# KiCad board 100p-keebored.kicad_pcb (continued)
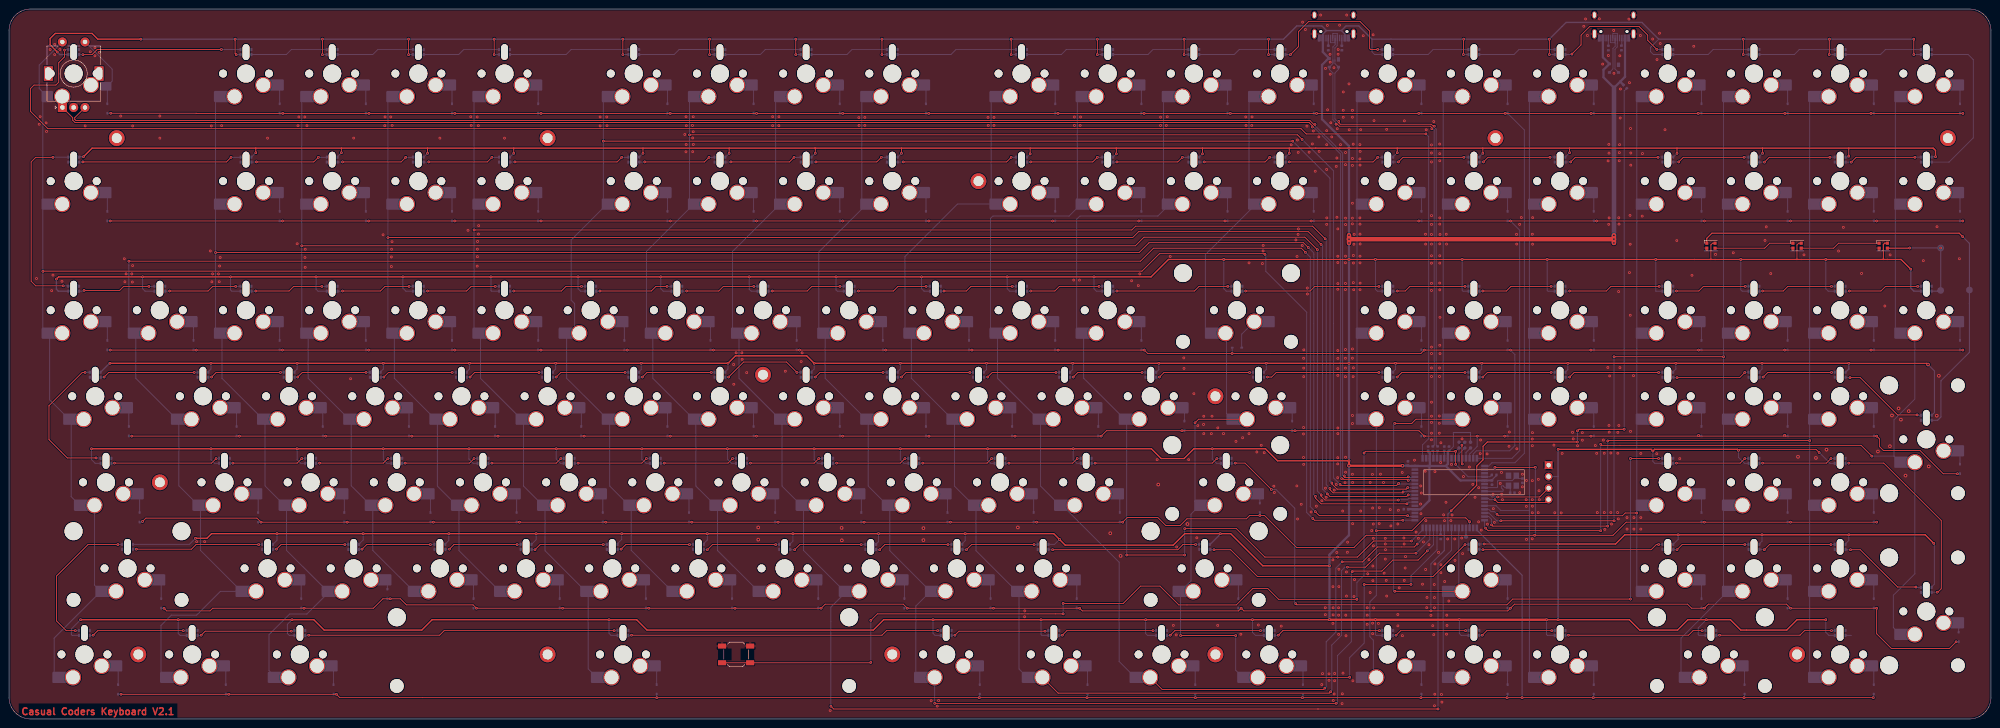
[diagram p0: board, top side]
## Routing (per net, layer and track width the routed paths; a pad name or vN(x,y) marks a point on that pad's centre or on a via; arc(x,y) is an arc through that point) (continued)
Net-(D234-DOUT): length 17.3
  Top w0.2: v1(173.55,124.33) 172.53,123.32 v1(159.58,123.32)
  Bottom w0.2: 175.1,124.38 175.06,124.33 v1(173.55,124.33) ; v1(159.58,123.32) 159.53,123.28 158.27,123.28
Net-(D235-DOUT): length 17.3
  Top w0.2: v1(140.53,123.32) 153.73,123.32 v1(154.75,124.33)
  Bottom w0.2: v1(154.75,124.33) 156.01,124.33 156.05,124.38 ; 139.22,123.28 140.48,123.28 v1(140.53,123.32)
Net-(D236-DOUT): length 26.8
  Top w0.2: v1(135.45,124.33) 134.43,123.32 v1(111.82,123.32)
  Bottom w0.2: 110.65,123.28 111.78,123.28 v1(111.82,123.32) ; v1(135.45,124.33) 136.96,124.33 137,124.38
Net-(D237-DOUT): length 17.3
  Top w0.2: v1(92.77,123.32) 105.73,123.32 v1(106.74,124.33)
  Bottom w0.2: v1(92.77,123.32) 92.73,123.28 91.6,123.28 ; v1(106.74,124.33) 108.38,124.33 108.42,124.38
Net-(D238-DOUT): length 17.3
  Top w0.2: v1(87.69,124.33) 86.68,123.32 v1(73.72,123.32)
  Bottom w0.2: v1(73.72,123.32) 73.68,123.28 72.55,123.28 ; v1(87.69,124.33) 89.33,124.33 89.37,124.38
Net-(D239-DOUT): length 17.3
  Top w0.2: v1(54.67,123.32) 67.37,123.32 v1(68.39,124.33)
  Bottom w0.2: v1(54.67,123.32) 54.63,123.28 53.5,123.28 ; 70.32,124.38 70.28,124.33 v1(68.39,124.33)
Net-(D240-DOUT): length 36.3
  Top w0.2: v1(49.09,124.33) 48.07,123.32 v1(16.32,123.32)
  Bottom w0.2: 51.27,124.38 51.23,124.33 v1(49.09,124.33) ; 15.4,123.28 16.28,123.28 v1(16.32,123.32)
Net-(D241-DOUT): length 43.8
  Top w0.2: v1(9.72,124.33) 5.91,124.33 4.89,123.32 4.89,96.9 5.91,95.88 v1(12,95.88)
  Bottom w0.2: 13.17,124.38 9.76,124.38 v1(9.72,124.33) ; v1(12,95.88) 13.09,95.88
Net-(D242-DOUT): length 17.3
  Top w0.2: v1(30.92,95.76) 25.34,95.76 24.45,94.87 v1(16.57,94.87)
  Bottom w0.2: 32.22,95.8 32.18,95.76 v1(30.92,95.76) ; 15.4,94.7 16.4,94.7 v1(16.57,94.87)
Net-(D243-DOUT): length 17.3
  Top w0.2: v1(35.5,94.74) 44.01,94.74 45.02,95.76 v1(50.1,95.76)
  Bottom w0.2: 51.27,95.8 51.23,95.76 v1(50.1,95.76) ; 34.45,94.7 35.45,94.7 v1(35.5,94.74)
Net-(D244-DOUT): length 17.3
  Top w0.2: v1(54.55,94.74) 61.91,94.74 62.93,95.76 v1(69.15,95.76)
  Bottom w0.2: 53.5,94.7 54.5,94.7 v1(54.55,94.74) ; 70.32,95.8 70.28,95.76 v1(69.15,95.76)
Net-(D245-DOUT): length 17.3
  Top w0.2: v1(73.72,94.74) 82.11,94.74 83.12,95.76 v1(88.46,95.76)
  Bottom w0.2: v1(88.46,95.76) 89.33,95.76 89.37,95.8 ; 72.55,94.7 73.68,94.7 v1(73.72,94.74)
Net-(D246-DOUT): length 17.3
  Top w0.2: v1(92.52,94.74) 101.16,94.74 102.17,95.76 v1(107.51,95.76)
  Bottom w0.2: 91.6,94.7 92.48,94.7 v1(92.52,94.74) ; 108.42,95.8 108.38,95.76 v1(107.51,95.76)
Net-(D247-DOUT): length 17.3
  Top w0.2: v1(111.57,94.74) 122.11,94.74 123.13,95.76 v1(126.56,95.76)
  Bottom w0.2: v1(111.57,94.74) 111.53,94.7 110.65,94.7 ; 127.47,95.8 127.43,95.76 v1(126.56,95.76)
Net-(D248-DOUT): length 17.3
  Top w0.2: v1(130.62,94.74) 141.99,94.74 143,95.76 v1(145.48,95.76)
  Bottom w0.2: v1(130.62,94.74) 130.58,94.7 129.7,94.7 ; v1(145.48,95.76) 146.48,95.76 146.52,95.8
Net-(D249-DOUT): length 17.3
  Top w0.2: v1(149.8,94.74) 156.91,94.74 157.92,95.76 v1(164.66,95.76)
  Bottom w0.2: 148.75,94.7 149.75,94.7 v1(149.8,94.74) ; 165.57,95.8 165.53,95.76 v1(164.66,95.76)
Net-(D250-DOUT): length 17.3
  Top w0.2: v1(168.72,94.74) 176.47,94.74 177.48,95.76 v1(183.71,95.76)
  Bottom w0.2: 167.8,94.7 168.68,94.7 v1(168.72,94.74) ; v1(183.71,95.76) 184.58,95.76 184.62,95.8
Net-(D251-DOUT): length 17.3
  Top w0.2: v1(202.76,95.76) 196.53,95.76 195.52,94.74 v1(187.77,94.74)
  Bottom w0.2: v1(202.76,95.76) 203.63,95.76 203.67,95.8 ; v1(187.77,94.74) 187.73,94.7 186.85,94.7
Net-(D252-DOUT): length 17.3
  Top w0.2: v1(206.69,94.74) 211.65,94.74 212.66,95.76 v1(221.81,95.76)
  Bottom w0.2: 222.72,95.8 222.68,95.76 v1(221.81,95.76) ; v1(206.69,94.74) 206.65,94.7 205.9,94.7
Net-(D253-DOUT): length 17.3
  Top w0.2: v1(225.87,94.74) 231.2,94.74 232.22,95.76 v1(240.98,95.76)
  Bottom w0.2: 241.77,95.8 241.73,95.76 v1(240.98,95.76) ; 224.95,94.7 225.83,94.7 v1(225.87,94.74)
Net-(D254-DOUT): length 26.8
  Top w0.2: v1(269.43,95.76) 263.08,95.76 262.06,94.74 v1(244.92,94.74)
  Bottom w0.2: 270.35,95.8 270.31,95.76 v1(269.43,95.76) ; v1(244.92,94.74) 244.88,94.7 244,94.7
Net-(D255-DOUT): length 31.6
  Top w0.2: v1(302.83,95.76) 288.67,95.76 287.65,94.74 v1(273.37,94.74)
  Bottom w0.2: 272.57,94.7 273.33,94.7 v1(273.37,94.74) ; v1(302.83,95.76) 303.65,95.76 303.69,95.8
Net-(D256-DOUT): length 17.3
  Top w0.2: v1(306.9,94.74) 308.67,94.74 309.69,95.76 v1(321.88,95.76)
  Bottom w0.2: 322.74,95.8 322.7,95.76 v1(321.88,95.76) ; 305.91,94.7 306.85,94.7 v1(306.9,94.74)
Net-(D257-DOUT): length 17.3
  Top w0.2: v1(340.93,95.76) 332.04,95.76 331.03,94.74 v1(325.82,94.74)
  Bottom w0.2: 324.96,94.7 325.78,94.7 v1(325.82,94.74) ; v1(340.93,95.76) 341.75,95.76 341.79,95.8
Net-(D258-DOUT): length 22
  Top w0.2: v1(364.81,95.76) 354.14,95.76 353.12,94.74 v1(345,94.74)
  Bottom w0.2: v1(364.81,95.76) 365.56,95.76 365.6,95.8 ; 344.01,94.7 344.95,94.7 v1(345,94.74)
Net-(D259-DOUT): length 17.3
  Top w0.2: v1(383.86,95.76) 374.59,95.76 373.57,94.74 v1(368.62,94.74)
  Bottom w0.2: v1(383.86,95.76) 384.61,95.76 384.65,95.8 ; v1(368.62,94.74) 368.58,94.7 367.82,94.7
Net-(D260-DOUT): length 17.3
  Top w0.2: v1(402.91,95.76) 393.26,95.76 392.24,94.74 v1(387.67,94.74)
  Bottom w0.2: 386.87,94.7 387.63,94.7 v1(387.67,94.74) ; 403.7,95.8 403.66,95.76 v1(402.91,95.76)
Net-(D261-DOUT): length 17.3
  Top w0.2: v1(421.96,95.76) 414.85,95.76 413.83,94.74 v1(406.84,94.74)
  Bottom w0.2: v1(421.96,95.76) 422.71,95.76 422.75,95.8 ; v1(406.84,94.74) 406.8,94.7 405.92,94.7
Net-(D263-DOUT): length 20.3
  Top w0.2: v1(406.97,75.56) 409.26,75.56 417.51,67.31 v1(421.83,67.31)
  Bottom w0.2: 405.92,75.65 406.01,75.56 v1(406.97,75.56) ; 422.75,67.23 421.92,67.23 v1(421.83,67.31)
Net-(D264-DOUT): length 17.1
  Top w0.2: v1(387.79,75.69) 388.81,76.71 v1(402.91,76.71)
  Bottom w0.2: D264.2 402.95,76.75 v1(402.91,76.71) ; D265.4 387,75.69 v1(387.79,75.69)
Net-(D265-DOUT): length 17.2
  Top w0.2: v1(368.74,75.56) 382.59,75.56 v1(383.73,76.71)
  Bottom w0.2: D265.2 383.77,76.75 v1(383.73,76.71) ; v1(368.74,75.56) 368,75.56 D266.4
Net-(D266-DOUT): length 21.9
  Top w0.2: v1(345,75.69) 346.01,76.71 v1(364.68,76.71)
  Bottom w0.2: v1(364.68,76.71) 364.72,76.75 D266.2 ; v1(345,75.69) 344.14,75.69 D267.4
Net-(D267-DOUT): length 17.1
  Top w0.2: v1(325.82,75.69) 326.83,76.71 v1(340.93,76.71)
  Bottom w0.2: D267.2 340.97,76.75 v1(340.93,76.71) ; D268.4 325.09,75.69 v1(325.82,75.69)
Net-(D268-DOUT): length 17.1
  Top w0.2: v1(306.9,75.69) 307.91,76.71 v1(321.88,76.71)
  Bottom w0.2: D268.2 321.92,76.75 v1(321.88,76.71) ; D269.4 306.04,75.69 v1(306.9,75.69)
Net-(D269-DOUT): length 26.6
  Top w0.2: v1(302.83,76.71) 280.15,76.71 279.13,75.69 v1(278.19,75.69)
  Bottom w0.2: v1(278.19,75.69) 277.47,75.69 D270.4 ; v1(302.83,76.71) 302.87,76.75 D269.2
Net-(D270-DOUT): length 21.9
  Top w0.2: v1(254.32,75.69) 255.33,76.71 v1(274.26,76.71)
  Bottom w0.2: v1(274.26,76.71) 274.3,76.75 D270.2 ; D271.4 253.65,75.69 v1(254.32,75.69)
Net-(D271-DOUT): length 17.1
  Top w0.2: v1(250.51,76.71) 236.28,76.71 v1(235.27,75.69)
  Bottom w0.2: D272.4 234.6,75.69 v1(235.27,75.69) ; v1(250.51,76.71) 250.55,76.75 D271.2
Net-(D272-DOUT): length 17.1
  Top w0.2: v1(216.34,75.69) 217.36,76.71 v1(231.46,76.71)
  Bottom w0.2: v1(231.46,76.71) 231.5,76.75 D272.2 ; D273.4 215.55,75.69 v1(216.34,75.69)
Net-(D273-DOUT): length 17.1
  Top w0.2: v1(197.29,75.69) 198.31,76.71 v1(212.41,76.71)
  Bottom w0.2: v1(212.41,76.71) 212.45,76.75 D273.2 ; v1(197.29,75.69) 196.5,75.69 D274.4
Net-(D274-DOUT): length 17.1
  Top w0.2: v1(178.24,75.69) 179.26,76.71 v1(193.23,76.71)
  Bottom w0.2: D274.2 193.27,76.75 v1(193.23,76.71) ; v1(178.24,75.69) 177.45,75.69 D275.4
Net-(D275-DOUT): length 19
  Top w0.2: v1(174.18,76.71) 171.87,79.02 162.39,79.02 v1(159.07,75.69)
  Bottom w0.2: v1(159.07,75.69) 158.4,75.69 D276.4 ; D275.2 174.22,76.75 v1(174.18,76.71)
Net-(D276-DOUT): length 17.1
  Top w0.2: v1(140.02,75.69) 141.03,76.71 v1(155.26,76.71)
  Bottom w0.2: D277.4 139.35,75.69 v1(140.02,75.69) ; D276.2 155.3,76.75 v1(155.26,76.71)
Net-(D277-DOUT): length 17.1
  Top w0.2: v1(136.21,76.71) 121.98,76.71 v1(120.97,75.69)
  Bottom w0.2: D277.2 136.25,76.75 v1(136.21,76.71) ; D278.4 120.3,75.69 v1(120.97,75.69)
Net-(D278-DOUT): length 17.1
  Top w0.2: v1(117.16,76.71) 102.93,76.71 v1(101.92,75.69)
  Bottom w0.2: v1(101.92,75.69) 101.25,75.69 D279.4 ; v1(117.16,76.71) 117.2,76.75 D278.2
Net-(D279-DOUT): length 17.1
  Top w0.2: v1(82.87,75.69) 83.88,76.71 v1(97.98,76.71)
  Bottom w0.2: D280.4 82.2,75.69 v1(82.87,75.69) ; D279.2 98.02,76.75 v1(97.98,76.71)
Net-(D280-DOUT): length 17.1
  Top w0.2: v1(78.93,76.71) 64.83,76.71 v1(63.82,75.69)
  Bottom w0.2: D281.4 63.15,75.69 v1(63.82,75.69) ; v1(78.93,76.71) 78.97,76.75 D280.2
Net-(D281-DOUT): length 17.1
  Top w0.2: v1(60.01,76.71) 45.78,76.71 v1(44.77,75.69)
  Bottom w0.2: v1(60.01,76.71) 60.05,76.75 D281.2 ; D282.4 44.1,75.69 v1(44.77,75.69)
Net-(D282-DOUT): length 21.9
  Top w0.2: v1(21.02,75.69) 22.03,76.71 v1(40.96,76.71)
  Bottom w0.2: v1(21.02,75.69) 20.29,75.69 D283.4 ; D282.2 41,76.75 v1(40.96,76.71)
Net-(D283-DOUT): length 32.7
  Top w0.2: v1(19.24,57.78) 12.89,57.78 8.83,61.85 8.83,69.34 16.19,76.71 v1(16.83,76.71)
  Bottom w0.2: D284.4 20.15,57.78 v1(19.24,57.78) ; v1(16.83,76.71) 16.87,76.75 D283.2
Net-(D284-DOUT): length 24.3
  Top w0.2: v1(23.3,56.64) 44.77,56.64 v1(45.78,57.66)
  Bottom w0.2: v1(23.3,56.64) 23.26,56.6 D284.2 ; D285.4 46.38,57.66 v1(45.78,57.66)
Net-(D285-DOUT): length 17.1
  Top w0.2: v1(49.47,56.64) 63.69,56.64 v1(64.71,57.66)
  Bottom w0.2: v1(49.47,56.64) 49.42,56.6 D285.2 ; v1(64.71,57.66) 65.43,57.66 D286.4
Net-(D286-DOUT): length 17.1
  Top w0.2: v1(68.64,56.64) 82.74,56.64 v1(83.76,57.66)
  Bottom w0.2: v1(68.64,56.64) 68.6,56.6 D286.2 ; v1(83.76,57.66) 84.48,57.66 D287.4
Net-(D287-DOUT): length 17.1
  Top w0.2: v1(87.57,56.64) 101.79,56.64 v1(102.81,57.66)
  Bottom w0.2: v1(102.81,57.66) 103.53,57.66 D288.4 ; v1(87.57,56.64) 87.52,56.6 D287.2
Net-(D288-DOUT): length 17.1
  Top w0.2: v1(106.74,56.64) 120.97,56.64 v1(121.98,57.66)
  Bottom w0.2: D288.2 106.7,56.6 v1(106.74,56.64) ; v1(121.98,57.66) 122.58,57.66 D289.4
Net-(D289-DOUT): length 17.1
  Top w0.2: v1(125.79,56.64) 139.89,56.64 v1(140.91,57.66)
  Bottom w0.2: v1(140.91,57.66) 141.63,57.66 D290.4 ; D289.2 125.75,56.6 v1(125.79,56.64)
Net-(D290-DOUT): length 17.1
  Top w0.2: v1(144.84,56.64) 158.94,56.64 v1(159.96,57.66)
  Bottom w0.2: v1(144.84,56.64) 144.8,56.6 D290.2 ; v1(159.96,57.66) 160.68,57.66 D291.4
Net-(D291-DOUT): length 17.1
  Top w0.2: v1(163.89,56.64) 177.99,56.64 v1(179.01,57.66)
  Bottom w0.2: v1(163.89,56.64) 163.85,56.6 D291.2 ; v1(179.01,57.66) 179.73,57.66 D292.4
Net-(D292-DOUT): length 17.1
  Top w0.2: v1(182.94,56.64) 197.04,56.64 v1(198.06,57.66)
  Bottom w0.2: D293.4 198.78,57.66 v1(198.06,57.66) ; D292.2 182.9,56.6 v1(182.94,56.64)
Net-(D293-DOUT): length 17.1
  Top w0.2: v1(217.23,57.66) 216.22,56.64 v1(201.99,56.64)
  Bottom w0.2: D293.2 201.95,56.6 v1(201.99,56.64) ; D294.4 217.83,57.66 v1(217.23,57.66)
Net-(D294-DOUT): length 17.1
  Top w0.2: v1(221.04,56.64) 235.14,56.64 v1(236.16,57.66)
  Bottom w0.2: D295.4 236.88,57.66 v1(236.16,57.66) ; v1(221.04,56.64) 221,56.6 D294.2
Net-(D295-DOUT): length 29
  Top w0.2: v1(267.02,57.66) 266,56.64 v1(240.09,56.64)
  Bottom w0.2: D296.4 267.84,57.66 v1(267.02,57.66) ; D295.2 240.05,56.6 v1(240.09,56.64)
Net-(D296-DOUT): length 152.2
  Top w0.2: v1(358.46,57.66) v1(364.68,57.66) ; v1(358.46,26.54) 332.42,26.54 331.15,25.27 284.7,25.27 v1(284.44,25.53) ; v1(271.08,56.64) 273.24,56.64 v1(279.08,50.8)
  Bottom w0.2: v1(364.68,57.66) 365.47,57.66 D297.4 ; v1(279.08,50.8) 280.1,50.8 284.24,46.66 284.24,25.73 v1(284.44,25.53) ; D296.2 271.04,56.6 v1(271.08,56.64) ; v1(358.46,26.54) v1(358.46,57.66)
Net-(D297-DOUT): length 17.1
  Top w0.2: v1(383.73,57.66) 382.71,56.64 v1(368.62,56.64)
  Bottom w0.2: D298.4 384.52,57.66 v1(383.73,57.66) ; D297.2 368.58,56.6 v1(368.62,56.64)
Net-(D298-DOUT): length 17.1
  Top w0.2: v1(387.67,56.64) 401.76,56.64 v1(402.78,57.66)
  Bottom w0.2: v1(402.78,57.66) 403.57,57.66 D299.4 ; v1(387.67,56.64) 387.63,56.6 D298.2
Net-(D299-DOUT): length 44
  Top w0.2: v1(406.72,56.64) 414.46,56.64 427.16,43.94 427.16,28.83 426.4,28.07 v1(426.28,28.07)
  Bottom w0.2: D299.2 406.68,56.6 v1(406.72,56.64) ; D300.4 425.1,28.07 v1(426.28,28.07)
Net-(D300-DOUT): length 20.2
  Top w0.2: v1(421.58,29.21) 417.51,29.21 409.26,37.46 v1(407.1,37.46)
  Bottom w0.2: D300.2 421.66,29.13 v1(421.58,29.21) ; v1(407.1,37.46) 406.1,37.46 D301.4
Net-(D301-DOUT): length 17.2
  Top w0.2: v1(388.05,37.46) 389.19,38.61 v1(402.78,38.61)
  Bottom w0.2: D301.2 402.82,38.65 v1(402.78,38.61) ; D302.4 387.96,37.55 v1(388.05,37.46)
Net-(D302-DOUT): length 17.2
  Top w0.2: v1(368.74,37.46) 369.89,38.61 v1(383.73,38.61)
  Bottom w0.2: v1(383.73,38.61) 383.77,38.65 D302.2 ; D303.4 368,37.46 v1(368.74,37.46)
Net-(D303-DOUT): length 41
  Top w0.2: v1(325.82,37.46) 363.03,37.46 364.17,38.61 v1(364.68,38.61)
  Bottom w0.2: D303.2 364.72,38.65 v1(364.68,38.61) ; v1(325.82,37.46) 325.13,37.46 D304.4
Net-(D304-DOUT): length 62.6
  Top w0.2: v1(266.38,37.46) 270.07,37.46 276.01,31.52 314.79,31.52 v1(321.88,38.61)
  Bottom w0.2: v1(321.88,38.61) 321.92,38.65 D304.2 ; D305.4 265.6,37.46 v1(266.38,37.46)
Net-(D305-DOUT): length 33.9
  Top w0.2: v1(230.7,37.46) 258.38,37.46 259.52,38.61 v1(262.32,38.61)
  Bottom w0.2: D305.2 262.36,38.65 v1(262.32,38.61) ; v1(230.7,37.46) 229.88,37.46 D306.4
Net-(D306-DOUT): length 17.2
  Top w0.2: v1(226.63,38.61) 212.79,38.61 v1(211.65,37.46)
  Bottom w0.2: D307.4 210.83,37.46 v1(211.65,37.46) ; v1(226.63,38.61) 226.67,38.65 D306.2
Net-(D307-DOUT): length 17.2
  Top w0.2: v1(192.47,37.46) 193.61,38.61 v1(207.58,38.61)
  Bottom w0.2: D307.2 207.62,38.65 v1(207.58,38.61) ; v1(192.47,37.46) 191.78,37.46 D308.4
Net-(D308-DOUT): length 17.2
  Top w0.2: v1(173.67,37.46) 174.82,38.61 v1(188.4,38.61)
  Bottom w0.2: v1(188.4,38.61) 188.45,38.65 D308.2 ; D309.4 172.73,37.46 v1(173.67,37.46)
Net-(D309-DOUT): length 17.2
  Top w0.2: v1(169.48,38.61) 155.51,38.61 v1(154.37,37.46)
  Bottom w0.2: v1(169.48,38.61) 169.52,38.65 D309.2 ; D310.4 153.68,37.46 v1(154.37,37.46)
Net-(D310-DOUT): length 17.1
  Top w0.2: v1(150.43,38.61) 136.33,38.61 v1(135.32,37.59)
  Bottom w0.2: v1(150.43,38.61) 150.47,38.65 D310.2 ; D311.4 134.59,37.59 v1(135.32,37.59)
Net-(D311-DOUT): length 17.2
  Top w0.2: v1(116.27,37.46) 117.41,38.61 v1(131.38,38.61)
  Bottom w0.2: v1(131.38,38.61) 131.42,38.65 D311.2 ; D312.4 115.59,37.46 v1(116.27,37.46)
Net-(D312-DOUT): length 17.1
  Top w0.2: v1(112.33,38.61) 98.36,38.61 v1(97.35,37.59)
  Bottom w0.2: D312.2 112.37,38.65 v1(112.33,38.61) ; v1(97.35,37.59) 96.49,37.59 D313.4
Net-(D313-DOUT): length 17.1
  Top w0.2: v1(93.15,38.61) 79.06,38.61 v1(78.04,37.59)
  Bottom w0.2: D314.4 77.44,37.59 v1(78.04,37.59) ; D313.2 93.2,38.65 v1(93.15,38.61)
Net-(D314-DOUT): length 17.1
  Top w0.2: v1(59.12,37.59) 60.13,38.61 v1(74.23,38.61)
  Bottom w0.2: D314.2 74.27,38.65 v1(74.23,38.61) ; v1(59.12,37.59) 58.39,37.59 D315.4
Net-(D315-DOUT): length 29
  Top w0.2: v1(28.13,37.59) 40.32,37.59 41.34,38.61 v1(55.18,38.61)
  Bottom w0.2: D315.2 55.22,38.65 v1(55.18,38.61) ; D316.4 27.44,37.59 v1(28.13,37.59)
Net-(D316-DOUT): length 33.2
  Top w0.2: v1(24.07,38.61) 17.46,38.61 10.48,31.62 10.48,21.72 12.64,19.56 v1(14.67,19.56)
  Bottom w0.2: v1(24.07,38.61) 24.11,38.65 D316.2 ; v1(14.67,19.56) 15.43,19.56 D317.4
Net-(D317-DOUT): length 21.9
  Top w0.2: v1(38.54,19.56) 19.62,19.56 v1(18.61,18.54)
  Bottom w0.2: v1(18.61,18.54) 18.56,18.5 D317.2 ; v1(38.54,19.56) 39.24,19.56 D318.4
Net-(D318-DOUT): length 21.9
  Top w0.2: v1(42.48,18.54) 43.37,19.43 v1(62.42,19.43)
  Bottom w0.2: D319.4 62.92,19.43 v1(62.42,19.43) ; v1(42.48,18.54) 42.44,18.5 D318.2
Net-(D319-DOUT): length 69.5
  Top w0.2: v1(133.79,19.56) 96.2,19.56 95.19,18.54 v1(66.23,18.54)
  Bottom w0.2: D320.4 134.49,19.56 v1(133.79,19.56) ; v1(66.23,18.54) 66.19,18.5 D319.2
Net-(D320-DOUT): length 69.5
  Top w0.2: v1(137.6,18.54) 192.98,18.54 193.99,19.56 v1(205.3,19.56)
  Bottom w0.2: v1(205.3,19.56) 205.93,19.56 D321.4 ; D320.2 137.56,18.5 v1(137.6,18.54)
Net-(D321-DOUT): length 21.9
  Top w0.2: v1(209.11,18.54) 209.99,19.43 v1(229.04,19.43)
  Bottom w0.2: D321.2 209.06,18.5 v1(209.11,18.54) ; D322.4 229.61,19.43 v1(229.04,19.43)
Net-(D322-DOUT): length 21.9
  Top w0.2: v1(232.85,18.54) 233.87,19.56 v1(252.92,19.56)
  Bottom w0.2: D323.4 253.55,19.56 v1(252.92,19.56) ; v1(232.85,18.54) 232.81,18.5 D322.2
Net-(D323-DOUT): length 21.9
  Top w0.2: v1(276.67,19.56) 257.75,19.56 v1(256.73,18.54)
  Bottom w0.2: v1(276.67,19.56) 277.36,19.56 D324.4 ; v1(256.73,18.54) 256.69,18.5 D323.2
Net-(D324-DOUT): length 24.3
  Top w0.2: v1(302.96,19.56) 281.62,19.56 v1(280.61,18.54)
  Bottom w0.2: D324.2 280.56,18.5 v1(280.61,18.54) ; D325.4 303.56,19.56 v1(302.96,19.56)
Net-(D325-DOUT): length 17.1
  Top w0.2: v1(306.64,18.54) 307.66,19.56 v1(322.01,19.56)
  Bottom w0.2: v1(322.01,19.56) 322.61,19.56 D326.4 ; D325.2 306.6,18.5 v1(306.64,18.54)
Net-(D326-DOUT): length 17.1
  Top w0.2: v1(341.06,19.56) 326.71,19.56 v1(325.69,18.54)
  Bottom w0.2: D326.2 325.65,18.5 v1(325.69,18.54) ; D327.4 341.66,19.56 v1(341.06,19.56)
Net-(D327-DOUT): length 31.4
  Top w0.2: v1(344.74,18.54) 371.28,18.54 372.3,19.56 v1(374.33,19.56)
  Bottom w0.2: D327.2 344.7,18.5 v1(344.74,18.54) ; D328.4 374.99,19.56 v1(374.33,19.56)
Net-(D328-DOUT): length 26.6
  Top w0.2: v1(402.91,19.56) 396.94,19.56 395.92,18.54 v1(378.14,18.54)
  Bottom w0.2: v1(378.14,18.54) 378.1,18.5 D328.2 ; v1(402.91,19.56) 403.57,19.56 D329.4
Net-(J2-CC1): length 1.7
  Bottom w0.25: R2.1 291.64,149.05 J2.A5
Net-(J2-CC2): length 1.7
  Bottom w0.25: J2.B5 294.64,149.05 R3.1
Net-(J3-CC1): length 1.7
  Bottom w0.2: R7.1 353.56,149.05 J3.A5
Net-(J3-CC2): length 1.7
  Bottom w0.2: R8.1 356.56,149.15 J3.B5
Net-(U1-D+): length 1.7
  Bottom w0.189: R4.2 315.69,59.2 U1.5
Net-(U1-D-): length 1.7
  Bottom w0.189: U1.4 314.89,59.2 R5.2
Net-(U1-PC6): length 131.2
  Top w0.25: v1(318.8,46.06) 324.47,51.74 324.47,55.98 325.87,57.38 325.87,60.38 326.81,61.32 v1(346.72,61.32) ; v1(346.72,63.78) 347.07,64.12 357.06,64.12 v1(357.07,64.13)
  Bottom w0.2: v1(357.07,64.13) 357.07,139.06 R9.1
  Bottom w0.25: v1(318.8,46.06) 318.09,45.36 U1.41 ; v1(346.72,61.32) v1(346.72,63.78)
Net-(U1-PE2/~{HWB}): length 1.5
  Bottom w0.25: R6.2 316.49,40.84 U1.43
Net-(U1-UCAP): length 1.6
  Bottom w0.25: C8.2 317.3,57.72 U1.7
Net-(U2-DOUT): length 17.7
  Top w0.2: U3.3 403.37,104.22 404.47,105.32 U2.1
Net-(U3-DOUT): length 17.7
  Top w0.2: U4.3 388.13,104.22 389.23,105.32 U3.1
unconnected-(D329-DOUT-Pad2): length 1.3
  Bottom w0.2: D329.2 407.31,18.5
unconnected-(U1-PC1-Pad36): length 2
  Bottom w0.25: REF**#9.1 322.09,40.38 U1.36

## Copper pours and planes (outline as drawn; the poured copper is in the pictures)
GND on Top, Bottom: 442.91,-4.76 442.91,161.92 -4.76,161.92 -4.76,-4.76

## Text on the board
B.Silkscreen: JLCJLCJLCJLCJLC
Top: Casual Coders Keyboard V2.1
